# Altium PCB BreakOutBoard_Cyclone.PcbDoc (part 6 of 6)
Units mm, origin at the board's own origin, x right, y up, seen from the top; angles counter-clockwise.
Board outline 360 x 235.6 mm, 2 copper layers (Top Layer, Bottom Layer); 147 components, 204 nets, 2829 pads, 66 vias.
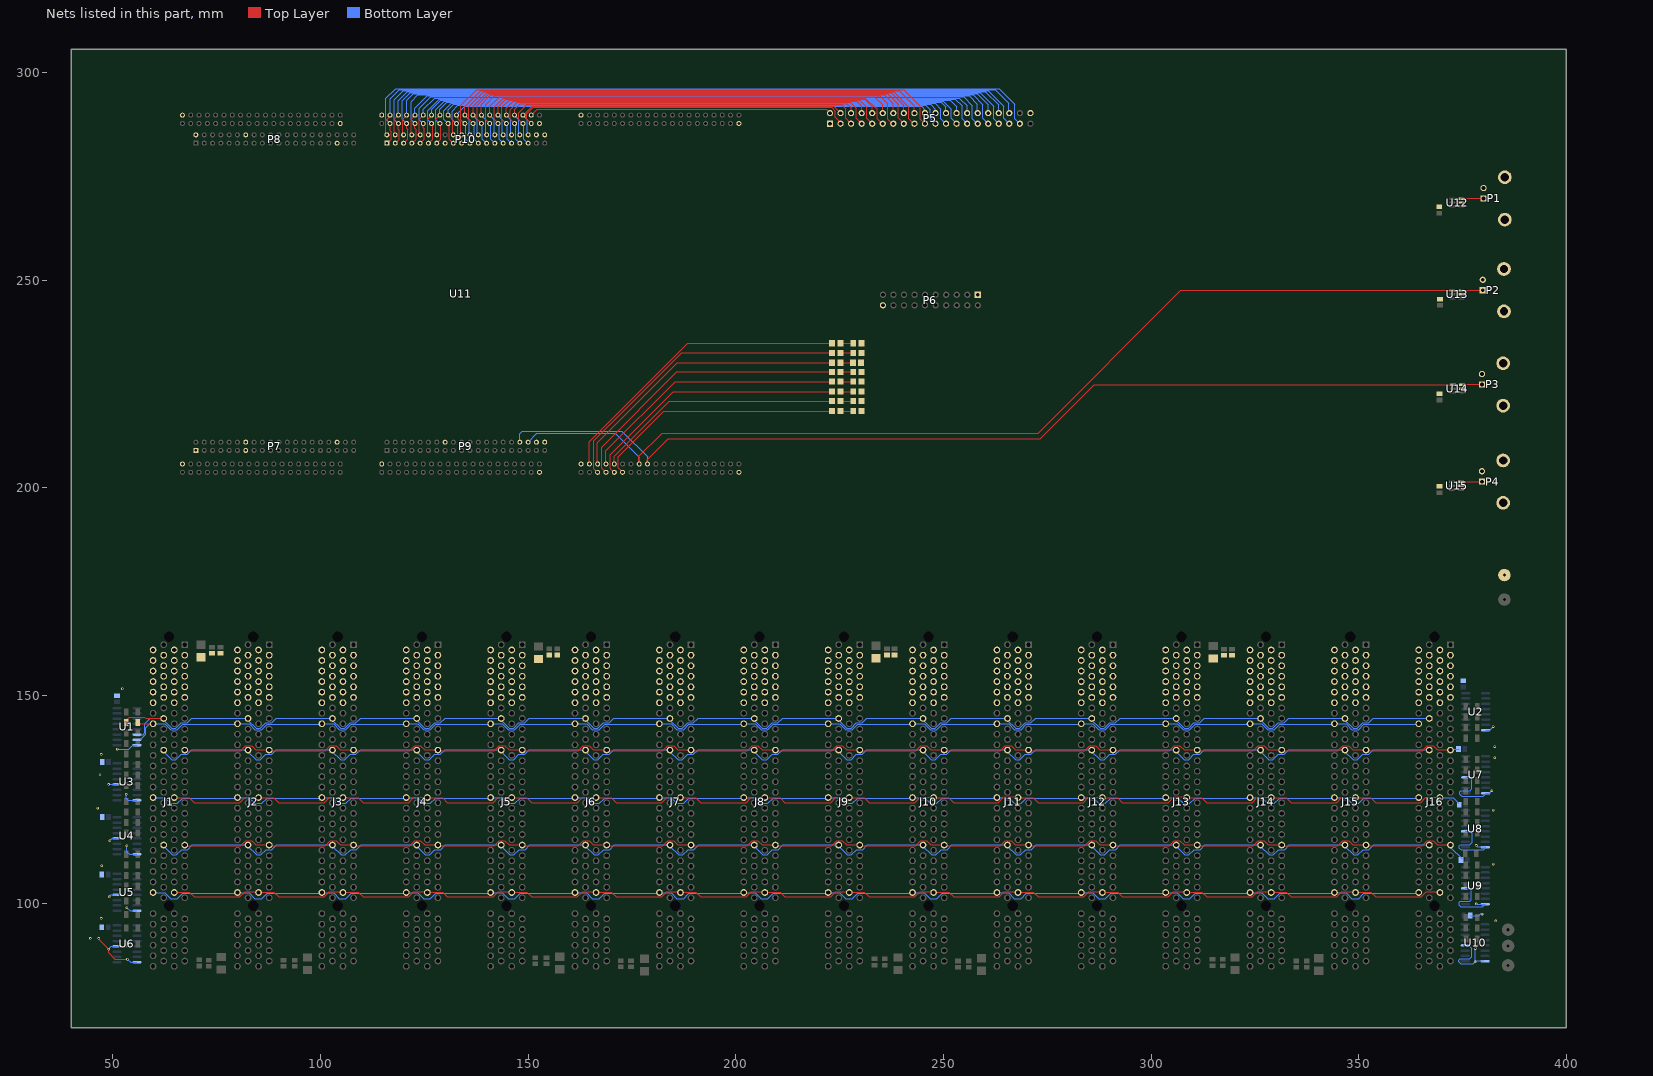
[diagram p6: the nets of this part, all layers, seen from the top]

## Via types
v1: diameter 0.6, hole 0.3, Top Layer to Bottom Layer, 50 vias
v2: diameter 5.5, hole 4.5, Top Layer to Bottom Layer, 15 vias
v3: diameter 1, hole 0.5, Top Layer to Bottom Layer, 1 vias

## Nets (pads, with @x,y where several pads share a name; then routed paths per layer and width w, separated by ;. In a path a pad name is that pad's centre, name@x,y a point inside that pad or via, vN(x,y) a via of type N, cw(c..) or ccw(c..) an arc to the next point about the centre after c; other vN are vias at no path point) (continued)
BUS39_N: J1.75 J2.75 J3.75 J4.75 J5.75 J6.75 J7.75 J8.75 J9.75 J10.75 J11.75 J12.75 J13.75 J14.75 J15.75 J16.75 R40.1 U1.6 | length 355.7
  Top Layer w0.127: R40.1@53.2,144.1 53.9,144.8 57.6,144.8 57.937,144.463 J1.75@62.23,144.463
  Bottom Layer w0.127: U1.6@56.7,140.6 57.3,140.6 57.7,141 57.7,143.2 58.963,144.463 J1.75@62.23,144.463 ; J1.75@62.1,144.5 62.1,144.2 64.2,142.1 65.2,142.1 66.5,143.4 67.9,143.4 69.023,144.522 J2.75@82.45,144.522 ; J2.75@82.42,144.5 82.42,144.2 84.52,142.1 85.52,142.1 86.82,143.4 88.22,143.4 89.343,144.522 J3.75@102.77,144.522 ; J3.75@102.74,144.5 102.74,144.2 104.84,142.1 105.84,142.1 107.14,143.4 108.54,143.4 109.663,144.522 J4.75@123.09,144.522 ; J4.75@123.06,144.5 123.06,144.2 125.16,142.1 126.16,142.1 127.46,143.4 128.86,143.4 129.983,144.522 J5.75@143.41,144.522 ; J5.75@143.38,144.5 143.38,144.2 145.48,142.1 146.48,142.1 147.78,143.4 149.18,143.4 150.303,144.522 J6.75@163.73,144.522 ; J6.75@163.7,144.5 163.7,144.2 165.8,142.1 166.8,142.1 168.1,143.4 169.5,143.4 170.623,144.522 J7.75@184.05,144.522 ; J7.75@184.02,144.5 184.02,144.2 186.12,142.1 187.12,142.1 188.42,143.4 189.82,143.4 190.943,144.522 J8.75@204.37,144.522 ; J8.75@204.34,144.5 204.34,144.2 206.44,142.1 207.44,142.1 208.74,143.4 210.14,143.4 211.263,144.522 J9.75@224.69,144.522 ; J9.75@224.66,144.5 224.66,144.2 226.76,142.1 227.76,142.1 229.06,143.4 230.46,143.4 231.583,144.522 J10.75@245.01,144.522 ; J10.75@244.98,144.5 244.98,144.2 247.08,142.1 248.08,142.1 249.38,143.4 250.78,143.4 251.903,144.522 J11.75@265.33,144.522 ; J11.75@265.3,144.5 265.3,144.2 267.4,142.1 268.4,142.1 269.7,143.4 271.1,143.4 272.223,144.522 J12.75@285.65,144.522 ; J12.75@285.62,144.5 285.62,144.2 287.72,142.1 288.72,142.1 290.02,143.4 291.42,143.4 292.543,144.522 J13.75@305.97,144.522 ; J13.75@305.94,144.5 305.94,144.2 308.04,142.1 309.04,142.1 310.34,143.4 311.74,143.4 312.863,144.522 J14.75@326.29,144.522 ; J14.75@326.26,144.5 326.26,144.2 328.36,142.1 329.36,142.1 330.66,143.4 332.06,143.4 333.183,144.522 J15.75@346.61,144.522 ; J15.75@346.58,144.5 346.58,144.2 348.68,142.1 349.68,142.1 350.98,143.4 352.38,143.4 353.503,144.522 J16.75@366.93,144.522
BUS39_P: J1.76 J2.76 J3.76 J4.76 J5.76 J6.76 J7.76 J8.76 J9.76 J10.76 J11.76 J12.76 J13.76 J14.76 J15.76 J16.76 R40.2 U1.7 | length 331.7
  Top Layer w0.127: R40.2@56.1,143.5 56.407,143.192 J1.76@59.69,143.192
  Bottom Layer w0.127: U1.7@56.6,139.3 57.954,140.654 57.954,142.254 58.893,143.192 J1.76@59.69,143.192 ; J1.76@59.6,143.2 62.5,143.2 63.9,141.8 65.5,141.8 66.8,143.1 79.758,143.1 J2.76@79.91,143.252 ; J2.76@79.92,143.2 82.82,143.2 84.22,141.8 85.82,141.8 87.12,143.1 100.078,143.1 J3.76@100.23,143.252 ; J3.76@100.24,143.2 103.14,143.2 104.54,141.8 106.14,141.8 107.44,143.1 120.398,143.1 J4.76@120.55,143.252 ; J4.76@120.56,143.2 123.46,143.2 124.86,141.8 126.46,141.8 127.76,143.1 140.718,143.1 J5.76@140.87,143.252 ; J5.76@140.88,143.2 143.78,143.2 145.18,141.8 146.78,141.8 148.08,143.1 161.038,143.1 J6.76@161.19,143.252 ; J6.76@161.2,143.2 164.1,143.2 165.5,141.8 167.1,141.8 168.4,143.1 181.358,143.1 J7.76@181.51,143.252 ; J7.76@181.52,143.2 184.42,143.2 185.82,141.8 187.42,141.8 188.72,143.1 201.678,143.1 J8.76@201.83,143.252 ; J8.76@201.84,143.2 204.74,143.2 206.14,141.8 207.74,141.8 209.04,143.1 221.998,143.1 J9.76@222.15,143.252 ; J9.76@222.16,143.2 225.06,143.2 226.46,141.8 228.06,141.8 229.36,143.1 242.318,143.1 J10.76@242.47,143.252 ; J10.76@242.48,143.2 245.38,143.2 246.78,141.8 248.38,141.8 249.68,143.1 262.638,143.1 J11.76@262.79,143.252 ; J11.76@262.8,143.2 265.7,143.2 267.1,141.8 268.7,141.8 270,143.1 282.958,143.1 J12.76@283.11,143.252 ; J12.76@283.12,143.2 286.02,143.2 287.42,141.8 289.02,141.8 290.32,143.1 303.278,143.1 J13.76@303.43,143.252 ; J13.76@303.44,143.2 306.34,143.2 307.74,141.8 309.34,141.8 310.64,143.1 323.598,143.1 J14.76@323.75,143.252 ; J14.76@323.76,143.2 326.66,143.2 328.06,141.8 329.66,141.8 330.96,143.1 343.918,143.1 J15.76@344.07,143.252 ; J15.76@344.08,143.2 346.98,143.2 348.38,141.8 349.98,141.8 351.28,143.1 364.238,143.1 J16.76@364.39,143.252
DGND: C1.2 C2.2 C3.2 C4.2 C5.2 C6.2 C7.1 C8.1 C9.1 C10.1 C11.1 C12.1 C13.1 C14.1 C39.2 C40.2 C41.2 C42.2 C43.2 C44.2 C45.2 C46.2 C47.1 C48.1 C49.1 C50.1 J1.2 J1.3 J1.4 J1.5 J1.6 J1.7 J1.8 J1.9 J1.10 J1.11 J1.12 J1.21 J1.30 J1.39 J1.48 J1.62 J1.63 J1.64 J1.65 J1.66 J1.67 J1.68 J1.69 J1.70 J1.71 J1.72 J1.81 J1.90 J1.99 J1.108 J2.2 J2.3 J2.4 J2.5 J2.6 J2.7 J2.8 J2.9 J2.10 J2.11 J2.12 J2.21 J2.30 J2.39 J2.48 J2.62 J2.63 J2.64 J2.65 J2.66 J2.67 J2.68 J2.69 J2.70 J2.71 J2.72 J2.81 J2.90 J2.99 J2.108 J3.2 J3.3 J3.4 J3.5 J3.6 J3.7 J3.8 J3.9 J3.10 J3.11 J3.12 J3.21 J3.30 J3.39 J3.48 J3.62 J3.63 J3.64 J3.65 J3.66 J3.67 J3.68 J3.69 J3.70 J3.71 J3.72 J3.81 J3.90 J3.99 J3.108 J4.2 J4.3 J4.4 J4.5 J4.6 J4.7 J4.8 J4.9 J4.10 J4.11 J4.12 J4.21 J4.30 J4.39 J4.48 J4.62 J4.63 J4.64 J4.65 J4.66 J4.67 J4.68 J4.69 J4.70 J4.71 J4.72 J4.81 J4.90 J4.99 J4.108 J5.2 J5.3 J5.4 J5.5 J5.6 J5.7 J5.8 J5.9 J5.10 J5.11 J5.12 J5.21 J5.30 J5.39 J5.48 J5.62 J5.63 J5.64 J5.65 J5.66 J5.67 J5.68 J5.69 J5.70 J5.71 J5.72 J5.81 J5.90 J5.99 J5.108 J6.2 J6.3 J6.4 J6.5 J6.6 J6.7 J6.8 J6.9 J6.10 J6.11 J6.12 J6.21 J6.30 J6.39 J6.48 J6.62 J6.63 J6.64 J6.65 J6.66 J6.67 J6.68 J6.69 J6.70 J6.71 J6.72 J6.81 J6.90 J6.99 J6.108 J7.2 J7.3 J7.4 J7.5 J7.6 J7.7 J7.8 J7.9 J7.10 J7.11 J7.12 J7.21 J7.30 J7.39 J7.48 J7.62 J7.63 J7.64 J7.65 J7.66 J7.67 J7.68 J7.69 J7.70 J7.71 J7.72 J7.81 J7.90 J7.99 J7.108 J8.2 J8.3 J8.4 J8.5 J8.6 J8.7 J8.8 J8.9 J8.10 J8.11 J8.12 J8.21 J8.30 J8.39 J8.48 J8.62 J8.63 J8.64 J8.65 J8.66 J8.67 J8.68 J8.69 J8.70 J8.71 J8.72 J8.81 J8.90 J8.99 J8.108 J9.2 J9.3 J9.4 J9.5 J9.6 J9.7 J9.8 J9.9 J9.10 J9.11 J9.12 J9.21 J9.30 J9.39 J9.48 J9.62 J9.63 J9.64 J9.65 J9.66 J9.67 J9.68 J9.69 J9.70 J9.71 J9.72 J9.81 J9.90 J9.99 J9.108 J10.2 J10.3 J10.4 J10.5 J10.6 J10.7 J10.8 J10.9 J10.10 J10.11 J10.12 J10.21 J10.30 J10.39 J10.48 J10.62 J10.63 J10.64 J10.65 J10.66 J10.67 J10.68 J10.69 J10.70 J10.71 J10.72 J10.81 J10.90 J10.99 J10.108 J11.2 J11.3 J11.4 J11.5 J11.6 J11.7 J11.8 J11.9 J11.10 J11.11 J11.12 J11.21 J11.30 J11.39 J11.48 J11.62 J11.63 J11.64 J11.65 J11.66 J11.67 J11.68 J11.69 J11.70 J11.71 J11.72 J11.81 J11.90 J11.99 J11.108 J12.2 J12.3 J12.4 J12.5 J12.6 J12.7 J12.8 J12.9 J12.10 J12.11 J12.12 J12.21 J12.30 J12.39 J12.48 J12.62 J12.63 J12.64 J12.65 J12.66 J12.67 J12.68 J12.69 J12.70 J12.71 J12.72 J12.81 J12.90 J12.99 J12.108 J13.2 J13.3 J13.4 J13.5 J13.6 J13.7 J13.8 J13.9 J13.10 J13.11 J13.12 J13.21 J13.30 J13.39 J13.48 J13.62 J13.63 J13.64 J13.65 J13.66 J13.67 J13.68 J13.69 J13.70 J13.71 J13.72 J13.81 J13.90 J13.99 J13.108 J14.2 J14.3 J14.4 J14.5 J14.6 J14.7 J14.8 J14.9 J14.10 J14.11 J14.12 J14.21 J14.30 J14.39 J14.48 J14.62 J14.63 J14.64 J14.65 J14.66 J14.67 J14.68 J14.69 J14.70 J14.71 J14.72 J14.81 J14.90 J14.99 J14.108 J15.2 J15.3 J15.4 J15.5 J15.6 J15.7 J15.8 J15.9 J15.10 J15.11 J15.12 J15.21 J15.30 J15.39 J15.48 J15.62 J15.63 J15.64 J15.65 J15.66 J15.67 J15.68 J15.69 J15.70 J15.71 J15.72 J15.81 J15.90 J15.99 J15.108 J16.2 J16.3 J16.4 J16.5 J16.6 J16.7 J16.8 J16.9 J16.10 J16.11 J16.12 J16.21 J16.30 J16.39 J16.48 J16.62 J16.63 J16.64 J16.65 J16.66 J16.67 J16.68 J16.69 J16.70 J16.71 J16.72 J16.81 J16.90 J16.99 J16.108 P1.2 P2.2 P3.2 P4.2 P5.1 P5.40 P6.1 P6.20 P7.1 P7.13 P7.14 P7.36 P8.2 P8.14 P8.35 P9.16 P9.38 P9.40 P10.15 P10.38 P10.40 pad.0@385.1,179 R41.1 R42.1 R43.1 R44.1 R45.1 R46.1 R47.1 R48.1 U1.8 U2.8 U3.8 U3.12 U4.8 U4.12 U5.8 U5.12 U6.8 U6.12 U7.8 U7.12 U8.8 U8.12 U9.8 U9.12 U10.8 U10.12 U11.1A2 U11.1B2 U11.1B39 U11.1C2 U11.1C39 U11.2A2 U11.2A39 U11.2B2 U11.2B39 U11.2C2 U11.2C39 U12.2 U13.2 U14.2 U15.2 | length 2719.6
  Top Layer w0.127: J1.48@64.77,102.672 68.428,102.672 69.6,101.5 80.6,101.5 81.83,102.73 J2.48@85.032,102.73 ; J1.30@64.77,125.373 68.428,125.373 69.6,124.2 80.6,124.2 81.854,125.454 85.008,125.454 J2.30@85.032,125.43 ; J1.21@67.31,136.902 67.506,136.706 80.835,136.706 82.032,137.903 83.436,137.903 84.437,136.902 87.63,136.902 87.826,136.706 101.155,136.706 102.352,137.903 103.756,137.903 104.757,136.902 107.95,136.902 108.146,136.706 121.475,136.706 122.672,137.903 124.076,137.903 125.077,136.902 128.27,136.902 128.466,136.706 141.795,136.706 142.992,137.903 144.396,137.903 145.397,136.902 148.59,136.902 148.786,136.706 162.115,136.706 163.312,137.903 164.716,137.903 165.717,136.902 168.91,136.902 169.106,136.706 182.435,136.706 183.632,137.903 185.036,137.903 186.037,136.902 189.23,136.902 189.426,136.706 202.755,136.706 203.952,137.903 205.356,137.903 206.357,136.902 209.55,136.902 209.746,136.706 223.075,136.706 224.272,137.903 225.676,137.903 226.677,136.902 229.87,136.902 230.066,136.706 243.395,136.706 244.592,137.903 245.996,137.903 246.997,136.902 250.19,136.902 250.386,136.706 263.715,136.706 264.912,137.903 266.316,137.903 267.317,136.902 270.51,136.902 270.706,136.706 284.035,136.706 285.232,137.903 286.636,137.903 287.637,136.902 290.83,136.902 291.026,136.706 304.355,136.706 305.552,137.903 306.956,137.903 307.957,136.902 311.15,136.902 311.346,136.706 324.675,136.706 325.872,137.903 327.276,137.903 328.277,136.902 331.47,136.902 331.666,136.706 344.995,136.706 346.192,137.903 347.596,137.903 348.597,136.902 351.79,136.902 351.986,136.706 365.315,136.706 366.512,137.903 367.916,137.903 368.917,136.902 J16.21@372.11,136.902 ; J1.11@67.31,149.503 J1.11@67.506,149.306 ; J1.39@67.506,113.806 80.835,113.806 82.032,115.003 83.436,115.003 84.437,114.002 J2.39@87.63,114.002 ; J2.48@85.09,102.672 88.748,102.672 89.92,101.5 100.92,101.5 102.15,102.73 J3.48@105.352,102.73 ; J2.30@85.09,125.373 88.748,125.373 89.92,124.2 100.92,124.2 102.174,125.454 105.328,125.454 J3.30@105.352,125.43 ; J2.11@87.63,149.503 J2.11@87.826,149.306 ; J2.39@87.826,113.806 101.155,113.806 102.352,115.003 103.756,115.003 104.757,114.002 J3.39@107.95,114.002 ; J3.48@105.41,102.672 109.068,102.672 110.24,101.5 121.24,101.5 122.47,102.73 J4.48@125.672,102.73 ; J3.30@105.41,125.373 109.068,125.373 110.24,124.2 121.24,124.2 122.494,125.454 125.648,125.454 J4.30@125.672,125.43 ; J3.39@108.146,113.806 121.475,113.806 122.672,115.003 124.076,115.003 125.077,114.002 J4.39@128.27,114.002 ; J4.48@125.73,102.672 129.388,102.672 130.56,101.5 141.56,101.5 142.79,102.73 J5.48@145.992,102.73 ; J4.30@125.73,125.373 129.388,125.373 130.56,124.2 141.56,124.2 142.814,125.454 145.968,125.454 J5.30@145.992,125.43 ; J4.39@128.466,113.806 141.795,113.806 142.992,115.003 144.396,115.003 145.397,114.002 J5.39@148.59,114.002 ; J5.48@146.05,102.672 149.708,102.672 150.88,101.5 161.88,101.5 163.11,102.73 J6.48@166.312,102.73 ; J5.30@146.05,125.373 149.708,125.373 150.88,124.2 161.88,124.2 163.134,125.454 166.288,125.454 J6.30@166.312,125.43 ; J5.39@148.786,113.806 162.115,113.806 163.312,115.003 164.716,115.003 165.717,114.002 J6.39@168.91,114.002 ; J6.48@166.37,102.672 170.028,102.672 171.2,101.5 182.2,101.5 183.43,102.73 J7.48@186.632,102.73 ; J6.30@166.37,125.373 170.028,125.373 171.2,124.2 182.2,124.2 183.454,125.454 186.608,125.454 J7.30@186.632,125.43 ; J6.39@169.106,113.806 182.435,113.806 183.632,115.003 185.036,115.003 186.037,114.002 J7.39@189.23,114.002 ; J7.48@186.69,102.672 190.348,102.672 191.52,101.5 202.52,101.5 203.75,102.73 J8.48@206.952,102.73 ; J7.30@186.69,125.373 190.348,125.373 191.52,124.2 202.52,124.2 203.774,125.454 206.928,125.454 J8.30@206.952,125.43 ; J7.39@189.426,113.806 202.755,113.806 203.952,115.003 205.356,115.003 206.357,114.002 J8.39@209.55,114.002 ; J8.48@207.01,102.672 210.668,102.672 211.84,101.5 222.84,101.5 224.07,102.73 J9.48@227.272,102.73 ; J8.30@207.01,125.373 210.668,125.373 211.84,124.2 222.84,124.2 224.094,125.454 227.248,125.454 J9.30@227.272,125.43 ; J8.39@209.746,113.806 223.075,113.806 224.272,115.003 225.676,115.003 226.677,114.002 J9.39@229.87,114.002 ; J9.48@227.33,102.672 230.988,102.672 232.16,101.5 243.16,101.5 244.39,102.73 J10.48@247.592,102.73 ; J9.30@227.33,125.373 230.988,125.373 232.16,124.2 243.16,124.2 244.414,125.454 247.568,125.454 J10.30@247.592,125.43 ; J9.39@230.066,113.806 243.395,113.806 244.592,115.003 245.996,115.003 246.997,114.002 J10.39@250.19,114.002 ; J10.48@247.65,102.672 251.308,102.672 252.48,101.5 263.48,101.5 264.71,102.73 J11.48@267.912,102.73 ; J10.30@247.65,125.373 251.308,125.373 252.48,124.2 263.241,124.2 264.595,125.554 267.788,125.554 J11.30@267.912,125.43 ; J10.39@250.386,113.806 263.715,113.806 264.912,115.003 266.316,115.003 267.317,114.002 J11.39@270.51,114.002 ; J11.48@267.97,102.672 271.628,102.672 272.8,101.5 283.8,101.5 285.03,102.73 J12.48@288.232,102.73 ; J11.30@267.97,125.373 271.628,125.373 272.8,124.2 283.641,124.2 284.895,125.454 288.208,125.454 J12.30@288.232,125.43 ; J11.39@270.706,113.806 284.035,113.806 285.232,115.003 286.636,115.003 287.637,114.002 J12.39@290.83,114.002 ; J12.48@288.29,102.672 291.948,102.672 293.12,101.5 304.12,101.5 305.35,102.73 J13.48@308.552,102.73 ; J12.30@288.29,125.373 291.948,125.373 293.12,124.2 304.12,124.2 305.474,125.554 308.428,125.554 J13.30@308.552,125.43 ; J12.39@291.026,113.806 304.355,113.806 305.552,115.003 306.956,115.003 307.957,114.002 J13.39@311.15,114.002 ; J13.48@308.61,102.672 312.268,102.672 313.44,101.5 324.44,101.5 325.67,102.73 J14.48@328.872,102.73 ; J13.30@308.61,125.373 312.268,125.373 313.44,124.2 324.341,124.2 325.595,125.454 328.848,125.454 J14.30@328.872,125.43 ; J13.39@311.346,113.806 324.675,113.806 325.872,115.003 327.276,115.003 328.277,114.002 J14.39@331.47,114.002 ; J14.48@328.93,102.672 332.588,102.672 333.76,101.5 344.76,101.5 345.99,102.73 J15.48@349.192,102.73 ; J14.30@328.93,125.373 332.588,125.373 333.76,124.2 344.741,124.2 345.995,125.454 349.168,125.454 J15.30@349.192,125.43 ; J14.39@331.666,113.806 344.995,113.806 346.192,115.003 347.596,115.003 348.597,114.002 J15.39@351.79,114.002 ; J15.48@349.25,102.672 352.908,102.672 354.08,101.5 365.08,101.5 366.31,102.73 J16.48@369.512,102.73 ; J15.30@349.25,125.373 352.908,125.373 354.08,124.2 364.941,124.2 366.195,125.454 369.488,125.454 J16.30@369.512,125.43 ; J15.39@351.986,113.806 365.315,113.806 366.512,115.003 367.916,115.003 368.917,114.002 J16.39@372.11,114.002 ; v1(378.06,89.06) 378.8,89.8 378.8,90.2
  Top Layer w0.3: v1@46.6,91.3 v1(49,88.9) 49,88 50.5,86.5 v1(53.5,86.5)
  Bottom Layer w0.127: v1(48.965,128.565) U3.12@51,128.565 ; v1(49,88.9) 49.665,89.565 U6.12@51,89.565 ; v1(49.1,101.5) 49,101.5 49.465,101.965 U5.12@51,101.965 ; v1(49.3,115) 49.865,115.565 U4.12@51,115.565 ; v1@51.2,137.2 51.3,137.1 53.8,137.1 54.755,138.055 U1.8@55.8,138.055 ; v1(53.2,126.2) 53.2,125.3 53.745,124.755 U3.8@55.8,124.755 ; v1(53.4,98.9) 54.145,98.155 U5.8@55.8,98.155 ; v1(53.4,113.8) 53.4,112.4 54.045,111.755 U4.8@55.8,111.755 ; v1(53.5,86.5) 54.245,85.755 U6.8@55.8,85.755 ; J1.108@59.6,102.5 62.5,102.5 63.9,101.1 65.5,101.1 66.8,102.4 79.758,102.4 J2.108@79.91,102.552 ; J1.90@59.6,125.4 62.5,125.4 63.9,124 65.5,124 66.8,125.3 79.758,125.3 J2.90@79.91,125.452 ; J1.81@62.1,136.9 62.1,136.6 64.2,134.5 65.2,134.5 66.5,135.8 67.9,135.8 69.023,136.922 J2.81@82.45,136.922 ; J1.71@62.1,149.2 J1.71@62.1,149.5 ; J1.69@62.1,151.8 J1.69@62.1,152.1 ; J1.67@62.1,154.3 J1.67@62.1,154.6 ; J1.65@62.1,156.9 J1.65@62.1,157.2 ; J1.99@62.2,114 62.2,113.7 64.3,111.6 65.3,111.6 66.6,112.9 68,112.9 69.123,114.022 J2.99@82.55,114.022 ; J2.72@79.758,148.1 J2.72@79.91,148.253 ; J2.108@79.92,102.5 82.82,102.5 84.22,101.1 85.82,101.1 87.12,102.4 100.078,102.4 J3.108@100.23,102.552 ; J2.90@79.92,125.4 82.82,125.4 84.22,124 85.82,124 87.12,125.3 100.078,125.3 J3.90@100.23,125.452 ; J2.81@82.42,136.9 82.42,136.6 84.52,134.5 85.52,134.5 86.82,135.8 88.22,135.8 89.343,136.922 J3.81@102.77,136.922 ; J2.71@82.42,149.2 J2.71@82.42,149.5 ; J2.99@82.52,114 82.52,113.7 84.62,111.6 85.62,111.6 86.92,112.9 88.32,112.9 89.443,114.022 J3.99@102.87,114.022 ; J3.72@100.078,148.1 J3.72@100.23,148.253 ; J3.108@100.24,102.5 103.14,102.5 104.54,101.1 106.14,101.1 107.44,102.4 120.398,102.4 J4.108@120.55,102.552 ; J3.90@100.24,125.4 103.14,125.4 104.54,124 106.14,124 107.44,125.3 120.398,125.3 J4.90@120.55,125.452 ; J3.81@102.74,136.9 102.74,136.6 104.84,134.5 105.84,134.5 107.14,135.8 108.54,135.8 109.663,136.922 J4.81@123.09,136.922 ; J3.99@102.84,114 102.84,113.7 104.94,111.6 105.94,111.6 107.24,112.9 108.64,112.9 109.763,114.022 J4.99@123.19,114.022 ; J4.108@120.56,102.5 123.46,102.5 124.86,101.1 126.46,101.1 127.76,102.4 140.718,102.4 J5.108@140.87,102.552 ; J4.90@120.56,125.4 123.46,125.4 124.86,124 126.46,124 127.76,125.3 140.718,125.3 J5.90@140.87,125.452 ; J4.81@123.06,136.9 123.06,136.6 125.16,134.5 126.16,134.5 127.46,135.8 128.86,135.8 129.983,136.922 J5.81@143.41,136.922 ; J4.99@123.16,114 123.16,113.7 125.26,111.6 126.26,111.6 127.56,112.9 128.96,112.9 130.083,114.022 J5.99@143.51,114.022 ; J5.66@140.718,155.8 J5.66@140.87,155.952 ; J5.108@140.88,102.5 143.78,102.5 145.18,101.1 146.78,101.1 148.08,102.4 161.038,102.4 J6.108@161.19,102.552 ; J5.90@140.88,125.4 143.78,125.4 145.18,124 146.78,124 148.08,125.3 161.038,125.3 J6.90@161.19,125.452 ; J5.81@143.38,136.9 143.38,136.6 145.48,134.5 146.48,134.5 147.78,135.8 149.18,135.8 150.303,136.922 J6.81@163.73,136.922 ; J5.99@143.48,114 143.48,113.7 145.58,111.6 146.58,111.6 147.88,112.9 149.28,112.9 150.403,114.022 J6.99@163.83,114.022 ; J6.66@161.038,155.8 J6.66@161.19,155.952 ; J6.108@161.2,102.5 164.1,102.5 165.5,101.1 167.1,101.1 168.4,102.4 181.358,102.4 J7.108@181.51,102.552 ; J6.90@161.2,125.4 164.1,125.4 165.5,124 167.1,124 168.4,125.3 181.358,125.3 J7.90@181.51,125.452 ; J6.81@163.7,136.9 163.7,136.6 165.8,134.5 166.8,134.5 168.1,135.8 169.5,135.8 170.623,136.922 J7.81@184.05,136.922 ; J6.99@163.8,114 163.8,113.7 165.9,111.6 166.9,111.6 168.2,112.9 169.6,112.9 170.723,114.022 J7.99@184.15,114.022 ; J7.66@181.358,155.8 J7.66@181.51,155.952 ; J7.108@181.52,102.5 184.42,102.5 185.82,101.1 187.42,101.1 188.72,102.4 201.678,102.4 J8.108@201.83,102.552 ; J7.90@181.52,125.4 184.42,125.4 185.82,124 187.42,124 188.72,125.3 201.678,125.3 J8.90@201.83,125.452 ; J7.81@184.02,136.9 184.02,136.6 186.12,134.5 187.12,134.5 188.42,135.8 189.82,135.8 190.943,136.922 J8.81@204.37,136.922 ; J7.99@184.12,114 184.12,113.7 186.22,111.6 187.22,111.6 188.52,112.9 189.92,112.9 191.043,114.022 J8.99@204.47,114.022 ; J8.66@201.678,155.8 J8.66@201.83,155.952 ; J8.108@201.84,102.5 204.74,102.5 206.14,101.1 207.74,101.1 209.04,102.4 221.998,102.4 J9.108@222.15,102.552 ; J8.90@201.84,125.4 204.74,125.4 206.14,124 207.74,124 209.04,125.3 221.998,125.3 J9.90@222.15,125.452 ; J8.81@204.34,136.9 204.34,136.6 206.44,134.5 207.44,134.5 208.74,135.8 210.14,135.8 211.263,136.922 J9.81@224.69,136.922 ; J8.99@204.44,114 204.44,113.7 206.54,111.6 207.54,111.6 208.84,112.9 210.24,112.9 211.363,114.022 J9.99@224.79,114.022 ; J9.66@221.998,155.8 J9.66@222.15,155.952 ; J9.108@222.16,102.5 225.06,102.5 226.46,101.1 228.06,101.1 229.36,102.4 242.318,102.4 J10.108@242.47,102.552 ; J9.90@222.16,125.4 225.06,125.4 226.46,124 228.06,124 229.36,125.3 242.318,125.3 J10.90@242.47,125.452 ; J9.81@224.66,136.9 224.66,136.6 226.76,134.5 227.76,134.5 229.06,135.8 230.46,135.8 231.583,136.922 J10.81@245.01,136.922 ; J9.99@224.76,114 224.76,113.7 226.86,111.6 227.86,111.6 229.16,112.9 230.56,112.9 231.683,114.022 J10.99@245.11,114.022 ; J10.108@242.48,102.5 245.38,102.5 246.78,101.1 248.38,101.1 249.68,102.4 262.638,102.4 J11.108@262.79,102.552 ; J10.90@242.48,125.4 245.38,125.4 246.78,124 248.38,124 249.68,125.3 262.638,125.3 J11.90@262.79,125.452 ; J10.81@244.98,136.9 244.98,136.6 247.08,134.5 248.08,134.5 249.38,135.8 250.78,135.8 251.903,136.922 J11.81@265.33,136.922 ; J10.99@245.08,114 245.08,113.7 247.18,111.6 248.18,111.6 249.48,112.9 250.88,112.9 252.003,114.022 J11.99@265.43,114.022 ; J11.108@262.8,102.5 265.7,102.5 267.1,101.1 268.7,101.1 270,102.4 282.958,102.4 J12.108@283.11,102.552 ; J11.90@262.8,125.4 265.7,125.4 267.1,124 268.7,124 270,125.3 282.958,125.3 J12.90@283.11,125.452 ; J11.81@265.3,136.9 265.3,136.6 267.4,134.5 268.4,134.5 269.7,135.8 271.1,135.8 272.223,136.922 J12.81@285.65,136.922 ; J11.99@265.4,114 265.4,113.7 267.5,111.6 268.5,111.6 269.8,112.9 271.2,112.9 272.323,114.022 J12.99@285.75,114.022 ; J12.108@283.12,102.5 286.02,102.5 287.42,101.1 289.02,101.1 290.32,102.4 303.278,102.4 J13.108@303.43,102.552 ; J12.90@283.12,125.4 286.02,125.4 287.42,124 289.02,124 290.32,125.3 303.278,125.3 J13.90@303.43,125.452 ; J12.81@285.62,136.9 285.62,136.6 287.72,134.5 288.72,134.5 290.02,135.8 291.42,135.8 292.543,136.922 J13.81@305.97,136.922 ; J12.99@285.72,114 285.72,113.7 287.82,111.6 288.82,111.6 290.12,112.9 291.52,112.9 292.643,114.022 J13.99@306.07,114.022 ; J13.108@303.44,102.5 306.34,102.5 307.74,101.1 309.34,101.1 310.64,102.4 323.598,102.4 J14.108@323.75,102.552 ; J13.90@303.44,125.4 306.34,125.4 307.74,124 309.34,124 310.64,125.3 323.598,125.3 J14.90@323.75,125.452 ; J13.81@305.94,136.9 305.94,136.6 308.04,134.5 309.04,134.5 310.34,135.8 311.74,135.8 312.863,136.922 J14.81@326.29,136.922 ; J13.99@306.04,114 306.04,113.7 308.14,111.6 309.14,111.6 310.44,112.9 311.84,112.9 312.963,114.022 J14.99@326.39,114.022 ; J14.108@323.76,102.5 326.66,102.5 328.06,101.1 329.66,101.1 330.96,102.4 343.918,102.4 J15.108@344.07,102.552 ; J14.90@323.76,125.4 326.66,125.4 328.06,124 329.66,124 330.96,125.3 343.918,125.3 J15.90@344.07,125.452 ; J14.81@326.26,136.9 326.26,136.6 328.36,134.5 329.36,134.5 330.66,135.8 332.06,135.8 333.183,136.922 J15.81@346.61,136.922 ; J14.99@326.36,114 326.36,113.7 328.46,111.6 329.46,111.6 330.76,112.9 332.16,112.9 333.283,114.022 J15.99@346.71,114.022 ; J15.108@344.08,102.5 346.98,102.5 348.38,101.1 349.98,101.1 351.28,102.4 364.238,102.4 J16.108@364.39,102.552 ; J15.90@344.08,125.4 346.98,125.4 348.38,124 349.98,124 351.28,125.3 364.238,125.3 J16.90@364.39,125.452 ; J15.81@346.58,136.9 346.58,136.6 348.68,134.5 349.68,134.5 350.98,135.8 352.38,135.8 353.503,136.922 J16.81@366.93,136.922 ; J15.99@346.68,114 346.68,113.7 348.78,111.6 349.78,111.6 351.08,112.9 352.48,112.9 353.603,114.022 J16.99@367.03,114.022 ; J16.30@369.57,125.412 372.788,125.412 C44.2@374.1,124.1 ; J16.39@372.11,113.983 372.11,113.49 C45.2@374.9,110.7 ; J16.21@372.2,136.8 372.5,137.1 C43.2@374.25,137.1 ; U10.12@375.67,89.805 376.485,89.805 377.19,89.1 377.19,87.03 376.76,86.6 374.5,86.6 374.14,86.24 374.14,85.844 374.614,85.37 377.58,85.37 v1(378.04,85.83) ; U9.12@375.7,103.565 376.865,103.565 377.14,103.29 377.14,100.78 376.78,100.42 374.52,100.42 374.28,100.18 374.28,99.45 374.64,99.09 379.9,99.09 U9.8@380.5,99.69 ; U8.12@375.7,117.265 376.835,117.265 377.4,116.7 377.4,114.7 376.8,114.1 374.554,114.1 374.254,113.8 374.254,113.246 374.7,112.8 380.1,112.8 U8.8@380.7,113.4 ; U7.12@375.8,130.265 376.735,130.265 377.3,129.7 377.3,127.5 376.9,127.1 374.6,127.1 374.3,126.8 374.3,126.259 374.805,125.754 380.054,125.754 U7.8@380.7,126.4 ; C46.2@376.85,96.99 378.96,96.99 379.47,97.5 v1@379.52,97.5 ; v1(378.06,89.06) 378.04,89.06 v1(378.04,85.83) ; v1(378.3,113.9) 378.6,113.6 380.355,113.6 U8.8@380.5,113.455 ; v1(378.36,99.79) 378.395,99.755 U9.8@380.5,99.755 ; U10.8@380.3,86.07 378.28,86.07 v1(378.04,85.83) ; U7.8@380.6,126.455 381.455,126.455 v1(382.1,127.1) ; U2.8@380.6,141.655 381.555,141.655 v1(382.4,142.5)
  other v1: 44.6,91.5 46.6,91.5 383,95.7 47.2,96.3 379.74,97.35 47.3,109 382.4,109.4 382.4,122.4 46.3,122.9 46.9,130.9 382.8,135 47.2,135.8 51.1,137.1 382.8,137.7 52.3,151.6
LED_0: D1.1 U11.1C4 | length 73.6
  Top Layer w0.127: U11.1C4@164.7,205.8 164.7,211.1 188.4,234.8 D1.1@223.2,234.8
LED_1: D3.1 U11.1C5 | length 74.2
  Top Layer w0.127: U11.1C5@166.7,203.7 165.8,204.6 165.8,211.3 187,232.5 D3.1@223.2,232.5
LED_2: D5.1 U11.1C6 | length 69.6
  Top Layer w0.127: U11.1C6@166.7,205.8 166.7,210.9 185.9,230.1 D5.1@223.2,230.1
LED_3: D7.1 U11.1C7 | length 69.5
  Top Layer w0.127: U11.1C7@168.7,203.7 167.7,204.7 167.7,209.8 185.8,227.9 D7.1@223.2,227.9
LED_4: D2.1 U11.1C8 | length 64.5
  Top Layer w0.127: U11.1C8@168.7,205.8 168.7,208.9 185.4,225.6 D2.1@223.2,225.6
LED_5: D4.1 U11.1C9 | length 64.4
  Top Layer w0.127: U11.1C9@170.7,203.7 169.8,204.6 169.8,208 185,223.2 D4.1@223.2,223.2
LED_6: D6.1 U11.1C10 | length 59.9
  Top Layer w0.127: U11.1C10@170.7,205.7 170.7,207.6 184,220.9 D6.1@223.2,220.9
LED_7: D8.1 U11.1C11 | length 60.3
  Top Layer w0.127: U11.1C11@172.8,203.7 U11.1C11@172.75,203.75 171.7,204.8 171.7,207.5 182.7,218.5 D8.1@223.2,218.5
NetD1_2: D1.2 R41.2 | length 2.9
  Top Layer w0.127: D1.2@225.4,234.8 R41.2@228.3,234.8
NetD2_2: D2.2 R42.2 | length 2.9
  Top Layer w0.127: D2.2@225.4,225.6 R42.2@228.3,225.6
NetD3_2: D3.2 R43.2 | length 3.1
  Top Layer w0.127: D3.2@225.2,232.5 R43.2@228.3,232.5
NetD4_2: D4.2 R44.2 | length 3.1
  Top Layer w0.127: D4.2@225.2,223.2 R44.2@228.3,223.2
NetD5_2: D5.2 R45.2 | length 2.9
  Top Layer w0.127: D5.2@225.3,230.1 R45.2@228.2,230.1
NetD6_2: D6.2 R46.2 | length 3
  Top Layer w0.127: D6.2@225.3,220.9 R46.2@228.3,220.9
NetD7_2: D7.2 R47.2 | length 3
  Top Layer w0.127: D7.2@225.3,227.9 R47.2@228.3,227.9
NetD8_2: D8.2 R48.2 | length 3.1
  Top Layer w0.127: D8.2@225.2,218.5 R48.2@228.3,218.5
NetP1_1: P1.1 U12.3 | length 5.4
  Top Layer w0.3: U12.3@374.7,269.7 P1.1@380.1,269.7
NetP2_1: P2.1 U13.3 | length 5
  Top Layer w0.3: U13.3@374.9,247.6 P2.1@379.9,247.6
NetP3_1: P3.1 U14.3 | length 4.6
  Top Layer w0.3: U14.3@375.1,224.9 P3.1@379.7,224.9
NetP4_1: P4.1 U15.3 | length 4.9
  Top Layer w0.3: U15.3@374.8,201.5 P4.1@379.7,201.5
PMT_IN: P9.36 U11.1C16 U13.4 | length 246
  Top Layer w0.3: U11.1C16@176.7,205.7 176.7,207.6 182.3,213.2 272.8,213.2 307.15,247.55 U13.4@372.625,247.55
  Bottom Layer w0.127: P9.36@150,211 152.1,213.1 171,213.1 176.75,207.35 U11.1C16@176.75,205.75
TRIGGER_IN: P9.34 U11.1C18 U14.4 | length 239.8
  Top Layer w0.3: U11.1C18@178.7,205.7 178.7,206.8 183.7,211.8 273.3,211.8 286.35,224.85 U14.4@372.725,224.85
  Bottom Layer w0.127: P9.34@148,211 148,213 148.6,213.6 172.6,213.6 178.75,207.45 U11.1C18@178.75,205.75
TTL_OUT_0: P5.2 U11.2B3 | length 73
  Top Layer w0.127: U11.2B3@150.7,289.7 152.14,291.14 221.8,291.14 P5.2@222.7,290.24
TTL_OUT_1: P5.3 U11.2B4 | length 81.7
  Top Layer w0.127: U11.2B4@150.8,287.7 149.7,288.8 149.7,290.1 151.2,291.6 223.1,291.6 224,290.7 224,289.2 225.24,287.96 P5.3@225.24,287.7
TTL_OUT_2: P5.4 P10.36 U11.2B5 | length 83.2
  Top Layer w0.127: U11.2B5@148.8,289.7 151,291.9 223.6,291.9 225.24,290.26 P5.4@225.24,290.24
  Bottom Layer w0.127: U11.2B5@148.75,289.75 149.8,288.7 P10.36@149.8,285
TTL_OUT_3: P5.5 P10.35 U11.2B6 | length 92.3
  Top Layer w0.127: U11.2B6@148.7,287.7 147.7,288.7 147.7,290.3 149.7,292.3 225.5,292.3 226.5,291.3 226.5,288.98 P5.5@227.78,287.7
  Bottom Layer w0.127: U11.2B6@149,287.7 149,284 P10.35@150,283
TTL_OUT_4: P5.6 P10.34 U11.2B7 | length 90
  Top Layer w0.127: U11.2B7@146.75,289.75 146.75,291.15 148.154,292.554 226.746,292.554 227.8,291.5 P5.6@227.8,290.2
  Bottom Layer w0.127: U11.2B7@146.75,289.75 147.8,288.7 P10.34@147.8,285
TTL_OUT_5: P5.7 P10.33 U11.2B8 | length 97.8
  Top Layer w0.127: U11.2B8@146.8,287.7 145.7,288.8 145.7,291.1 147.408,292.808 227.592,292.808 229.02,291.38 229.02,289 P5.7@230.32,287.7
  Bottom Layer w0.127: U11.2B8@147,287.7 147,284 P10.33@148,283
TTL_OUT_6: P5.8 P10.32 U11.2B9 | length 95.4
  Top Layer w0.127: U11.2B9@144.75,289.75 144.75,291.45 146.4,293.1 229.1,293.1 230.3,291.9 P5.8@230.3,290.1
  Bottom Layer w0.127: U11.2B9@144.75,289.75 145.8,288.7 P10.32@145.8,285
TTL_OUT_7: P5.9 P10.31 U11.2B10 | length 103.3
  Top Layer w0.127: U11.2B10@144.8,287.7 143.7,288.8 143.7,291.6 145.454,293.354 229.846,293.354 231.5,291.7 231.5,289.06 P5.9@232.86,287.7
  Bottom Layer w0.127: U11.2B10@145,287.8 145,284 P10.31@146,283
TTL_OUT_8: P5.10 P10.30 U11.2B11 | length 100.5
  Top Layer w0.127: U11.2B11@142.75,289.75 142.75,291.75 144.608,293.608 231.092,293.608 232.9,291.8 P5.10@232.9,290.2
  Bottom Layer w0.127: U11.2B11@142.75,289.75 143.8,288.7 P10.30@143.8,285
TTL_OUT_9: P5.11 P10.29 U11.2B12 | length 108
  Top Layer w0.127: U11.2B12@142.8,287.8 141.8,288.8 141.8,291.7 143.962,293.862 231.197,293.862 233.559,291.5 234.1,291.5 234.1,288.9 235.3,287.7 P5.11@235.4,287.7
  Bottom Layer w0.127: U11.2B12@143,287.7 143,284 P10.29@144,283
TTL_OUT_10: P5.12 P10.28 U11.2B13 | length 105.6
  Top Layer w0.127: U11.2B13@140.75,289.75 140.75,291.85 143.016,294.116 233.484,294.116 235.4,292.2 P5.12@235.4,290.3
  Bottom Layer w0.127: U11.2B13@140.75,289.75 141.8,288.7 P10.28@141.8,285
TTL_OUT_11: P5.13 P10.27 U11.2B14 | length 113.9
  Top Layer w0.127: U11.2B14@140.7,287.8 139.8,288.7 139.8,292.3 141.87,294.37 234.73,294.37 236.6,292.5 236.6,288.8 237.7,287.7 P5.13@237.94,287.7
  Bottom Layer w0.127: U11.2B14@141,287.7 141,284 P10.27@142,283
TTL_OUT_12: P5.14 P10.26 U11.2B15 | length 111.2
  Top Layer w0.127: U11.2B15@138.7,289.6 138.7,292.3 141.024,294.624 235.776,294.624 237.94,292.46 P5.14@237.94,290.24
  Bottom Layer w0.127: U11.2B15@138.75,289.75 139.8,288.7 P10.26@139.8,285
TTL_OUT_13: P5.15 P10.25 U11.2B16 | length 118.7
  Top Layer w0.127: U11.2B16@138.75,287.75 137.7,288.8 137.7,292.1 140.478,294.878 236.622,294.878 239.1,292.4 239.1,289.1 P5.15@240.5,287.7
  Bottom Layer w0.127: U11.2B16@139,287.6 139,284 P10.25@140,283
TTL_OUT_14: P5.16 P10.24 U11.2B17 | length 115.7
  Top Layer w0.127: U11.2B17@136.8,289.6 136.8,291.9 140.032,295.132 237.468,295.132 240.48,292.12 P5.16@240.48,290.24
  Bottom Layer w0.127: U11.2B17@136.75,289.75 137.8,288.7 P10.24@137.8,284.9
TTL_OUT_15: P5.17 P10.23 U11.2B18 | length 123.2
  Top Layer w0.127: U11.2B18@136.75,287.75 135.7,288.8 135.7,291.8 139.286,295.386 238.014,295.386 241.7,291.7 241.7,288.9 P5.17@243,287.6
  Bottom Layer w0.127: U11.2B18@137,287.7 137,284 P10.23@138,283
TTL_OUT_16: P5.18 P10.22 U11.2B19 | length 120.6
  Top Layer w0.127: U11.2B19@134.7,289.7 134.7,291.8 138.54,295.64 239.36,295.64 243.02,291.98 P5.18@243.02,290.24
  Bottom Layer w0.127: U11.2B19@134.75,289.75 135.8,288.7 P10.22@135.8,284.9
TTL_OUT_17: P5.19 P10.21 U11.2B20 | length 128.5
  Top Layer w0.127: U11.2B20@134.75,287.75 133.8,288.7 133.8,292.1 137.594,295.894 240.406,295.894 244.4,291.9 244.4,288.8 P5.19@245.5,287.7
  Bottom Layer w0.127: U11.2B20@134.8,287.8 135,287.6 135,284 P10.21@136,283
TTL_OUT_18: P5.20 P10.20 U11.2B21 | length 120.3
  Top Layer w0.127: U11.2B21@132.75,289.75 133.2,289.3 133.2,288.8 133.8,288.2 P10.20@133.8,284.9
  Bottom Layer w0.127: U11.2B21@132.6,289.7 134.74,291.84 244.76,291.84 245.56,291.04 P5.20@245.56,290.24
TTL_OUT_19: P5.21 P10.19 U11.2B22 | length 128.7
  Top Layer w0.127: U11.2B22@132.75,287.75 133,287.5 133,284 P10.19@134,283
  Bottom Layer w0.127: U11.2B22@132.7,287.7 131.7,288.7 131.7,290.7 133.1,292.1 245.7,292.1 246.8,291 246.8,289 P5.21@248.1,287.7
TTL_OUT_20: P5.22 P10.18 U11.2B23 | length 125.9
  Top Layer w0.127: U11.2B23@130.75,289.75 131.8,288.7 P10.18@131.8,284.9
  Bottom Layer w0.127: U11.2B23@130.75,289.75 130.75,291.05 132.054,292.354 246.946,292.354 248.1,291.2 P5.22@248.1,290.3
TTL_OUT_21: P5.23 P10.17 U11.2B24 | length 133.9
  Top Layer w0.127: U11.2B24@130.75,287.75 130.75,287.25 131,287 131,284 P10.17@132,283
  Bottom Layer w0.127: U11.2B24@130.8,287.7 129.7,288.8 129.7,290.8 131.508,292.608 247.992,292.608 249.4,291.2 249.4,288.94 P5.23@250.64,287.7
TTL_OUT_22: P5.24 P10.14 U11.2B25 | length 131.3
  Top Layer w0.127: P10.14@127.8,284.8 127.8,288.8 U11.2B25@128.75,289.75
  Bottom Layer w0.127: U11.2B25@128.75,289.75 128.75,291.15 130.462,292.862 249.538,292.862 250.6,291.8 P5.24@250.6,290.2
TTL_OUT_23: P5.25 P10.13 U11.2B26 | length 138.8
  Top Layer w0.127: P10.13@128,283 129,284 129,287.5 U11.2B26@128.75,287.75
  Bottom Layer w0.127: U11.2B26@128.6,287.7 127.8,288.5 127.8,291.1 129.816,293.116 249.984,293.116 251.9,291.2 251.9,288.98 P5.25@253.18,287.7
TTL_OUT_24: P5.26 P10.12 U11.2B27 | length 136.2
  Top Layer w0.127: P10.12@125.8,285 125.8,288.8 U11.2B27@126.75,289.75
  Bottom Layer w0.127: U11.2B27@126.75,289.75 126.75,291.15 128.97,293.37 251.63,293.37 253.2,291.8 P5.26@253.2,290.2
TTL_OUT_25: P5.27 P10.11 U11.2B28 | length 144.1
  Top Layer w0.127: P10.11@126,283 127,284 127,287.5 U11.2B28@126.75,287.75
  Bottom Layer w0.127: U11.2B28@126.8,287.7 125.8,288.7 125.8,290.8 128.624,293.624 252.876,293.624 254.5,292 254.5,288.92 P5.27@255.72,287.7
TTL_OUT_26: P5.28 P10.10 U11.2B29 | length 141.3
  Top Layer w0.127: P10.10@123.8,284.8 123.8,288.8 U11.2B29@124.75,289.75
  Bottom Layer w0.127: U11.2B29@124.75,289.75 124.75,291.15 127.478,293.878 253.822,293.878 255.7,292 P5.28@255.7,290.3
TTL_OUT_27: P5.29 P10.9 U11.2B30 | length 149.5
  Top Layer w0.127: P10.9@124,283 125,284 125,286.5 124.75,286.75 U11.2B30@124.75,287.75
  Bottom Layer w0.127: U11.2B30@124.8,287.7 123.8,288.7 123.8,291.4 126.532,294.132 254.868,294.132 257,292 257,288.9 258.2,287.7 P5.29@258.26,287.7
TTL_OUT_28: P5.30 P10.8 U11.2B31 | length 146.4
  Top Layer w0.127: P10.8@121.8,285.1 121.8,288.8 U11.2B31@122.75,289.75
  Bottom Layer w0.127: U11.2B31@122.75,289.75 122.75,291.45 125.686,294.386 256.214,294.386 258.2,292.4 P5.30@258.2,290.2
TTL_OUT_29: P5.31 P10.7 U11.2B32 | length 155.4
  Top Layer w0.127: P10.7@122,283 123,284 123,286.4 122.75,286.65 U11.2B32@122.75,287.75
  Bottom Layer w0.127: U11.2B32@122.7,287.7 121.8,288.6 121.8,293 123.44,294.64 257.16,294.64 259.5,292.3 259.5,289 P5.31@260.8,287.7
TTL_OUT_30: P5.32 P10.6 U11.2B33 | length 152.6
  Top Layer w0.127: P10.6@119.8,284.9 119.8,288.8 U11.2B33@120.75,289.75
  Bottom Layer w0.127: U11.2B33@120.75,289.75 120.75,293.35 122.294,294.894 258.106,294.894 260.8,292.2 P5.32@260.8,290.24 P5.32@260.8,290.2
TTL_OUT_31: P5.33 P10.5 U11.2B34 | length 160.5
  Top Layer w0.127: P10.5@120,283 121,284 121,286.4 120.75,286.65 U11.2B34@120.75,287.75
  Bottom Layer w0.127: U11.2B34@120.8,287.7 119.7,288.8 119.7,293.2 121.648,295.148 258.852,295.148 262.1,291.9 262.1,288.94 P5.33@263.34,287.7
TTL_OUT_32: P5.34 P10.4 U11.2B35 | length 157.2
  Top Layer w0.127: P10.4@117.8,285.1 117.8,288.8 U11.2B35@118.75,289.75
  Bottom Layer w0.127: U11.2B35@118.75,289.75 118.75,293.25 120.902,295.402 260.098,295.402 263.3,292.2 P5.34@263.3,290.3
TTL_OUT_33: P5.35 P10.3 U11.2B36 | length 165.4
  Top Layer w0.127: P10.3@118,283 119,284 119,286.1 118.75,286.35 U11.2B36@118.75,287.75
  Bottom Layer w0.127: U11.2B36@118.7,287.7 117.8,288.6 117.8,293.5 119.956,295.656 260.844,295.656 264.58,291.92 264.58,289 P5.35@265.88,287.7
TTL_OUT_34: P5.36 P10.2 U11.2B37 | length 163
  Top Layer w0.127: P10.2@116,285 115.7,285.3 115.7,288.4 116.75,289.45 U11.2B37@116.75,289.75
  Bottom Layer w0.127: U11.2B37@116.75,289.75 116.75,293.65 119.01,295.91 262.49,295.91 265.8,292.6 P5.36@265.8,290.2
TTL_OUT_35: P5.37 P10.1 U11.2B38 | length 171.1
  Top Layer w0.127: P10.1@116,283 117,284 117,285.7 116.75,285.95 U11.2B38@116.75,287.75
  Bottom Layer w0.127: U11.2B38@116.8,287.7 115.7,288.8 115.7,293.8 118.064,296.164 263.436,296.164 267.2,292.4 267.2,288.92 P5.37@268.42,287.7
pads on no net: J1.121 J1.122 J2.121 J2.122 J3.121 J3.122 J4.121 J4.122 J5.121 J5.122 J6.121 J6.122 J7.121 J7.122 J8.121 J8.122 J9.121 J9.122 J10.121 J10.122 J11.121 J11.122 J12.121 J12.122 J13.121 J13.122 J14.121 J14.122 J15.121 J15.122 J16.121 J16.122 P5.38 P5.39 P7.3 P7.5 P7.7 P7.8 P7.9 P7.10 P7.12 P7.21 P7.22 P7.23 P7.24 P7.35 P7.37 P7.38 P7.39 P7.40 P8.1 P8.3 P8.4 P8.5 P8.6 P8.7 P8.8 P8.9 P8.10 P8.11 P8.12 P8.13 P8.15 P8.16 P8.17 P8.18 P8.36 P8.39 P8.40 P9.15 P9.27 P9.28 P9.29 P9.30 P9.31 P9.33 P9.35 P9.37 P9.39 P10.16 P10.37 P10.39 U11.1A3 U11.1A4 U11.1A5 U11.1A6 U11.1A7 U11.1A8 U11.1A9 U11.1A10 U11.1A12 U11.1A13 U11.1A14 U11.1A15 U11.1A16 U11.1A17 U11.1A18 U11.1A19 U11.1A21 U11.1A22 U11.1A24 U11.1A25 U11.1A26 U11.1A27 U11.1A36 U11.1A38 U11.1A39 U11.1A40 U11.1B1 U11.1B32 U11.1B33 U11.1B34 U11.1B35 U11.1B36 U11.1B37 U11.1B38 U11.1B40 U11.1C3 U11.1C12 U11.1C13 U11.1C14 U11.1C15 U11.1C17 U11.1C19 U11.1C21 U11.1C22 U11.1C23 U11.1C24 U11.1C25 U11.1C26 U11.1C27 U11.1C28 U11.1C29 U11.1C30 U11.1C31 U11.1C32 U11.1C33 U11.1C34 U11.1C35 U11.1C36 U11.1C37 U11.1C38 U11.1C40 U11.2A1 U11.2A3 U11.2A4 U11.2A5 U11.2A6 U11.2A7 U11.2A8 U11.2A9 U11.2A10 U11.2A11 U11.2A12 U11.2A13 U11.2A14 U11.2A15 U11.2A16 U11.2A17 U11.2A18 U11.2A19 U11.2A20 U11.2A21 U11.2A22 U11.2A23 U11.2A24 U11.2A25 U11.2A26 U11.2A27 U11.2A28 U11.2A29 U11.2A30 U11.2A31 U11.2A32 U11.2A33 U11.2A34 U11.2A35 U11.2A36 U11.2A37 U11.2A38 U11.2A40 U11.2B1 U11.2B40 U11.2C1 U11.2C21 U11.2C22 U11.2C23 U11.2C24 U11.2C25 U11.2C26 U11.2C27 U11.2C28 U11.2C29 U11.2C30 U11.2C31 U11.2C32 U11.2C33 U11.2C34 U11.2C35 U11.2C36 U11.2C37 U11.2C38 U11.2C40
copper on no net:
  other v1: 375.3,156.7
  other v2: 50,76 105,76 160,76 215,76 270,76 325,76 380,76 105,175 160,175 215,175 270,175 325,175 50,300 215,300 380,300

## Polygon pours and split planes (outlines as drawn)
8V_BUS on Top Layer "Top_8V" (solid, pour order 1001): 384,87.7 388,87.7 388,80.8 58,80.8 58,84.94 58.2,84.664 384,84.664
DGND on Top Layer "top_ground" (solid, remove dead copper, pour order 1002): 388,90 388,301.6 42.8,301.6 42.8,90
DGND on Bottom Layer "bottom_ground" (solid, remove dead copper, pour order 1000): 388,90 388,301.6 42.8,301.6 42.8,90

## Keep-outs
Keep-Out Layer:
  lines w0.3: 41.58,72.4 389.48,72.4 389.48,304 41.58,304 41.58,72.4

## Silkscreen, mask and mechanical layers (free items; w line width, h text height)
Top Overlay:
  text "GND" at 388.3,177.7 h1 r90
  text "5V dig" at 388.2,170.3 h1 r90
  text "5V ana" at 386.2,96.1 h1 r90
  text "GND" at 388.9,88.4 h1 r90
  text "8V ana" at 381.8,81.9 h1
Drill Drawing:
  text ".LEGEND" at 398.78,162.56 h1.52
  text "Drill Drawing." at 398.78,160.02 h1.52

## Dimensions
41.58,72.4 to 389.48,72.4 on Mechanical 1
41.58,72.4 to 41.58,304 on Mechanical 1

## Text inside footprints (layer, text, board x,y; h text height)
J1: Top Overlay "61" at 56.265,163.493 h1.5 r270; Top Overlay "1" at 69.235,162.492 h1.5 r270; Top Overlay "60" at 69.235,86.023 h1.5 r270; Top Overlay "120" at 56.265,86.272 h1.5 r270
J2: Top Overlay "61" at 76.585,163.493 h1.5 r270; Top Overlay "1" at 89.555,162.492 h1.5 r270; Top Overlay "60" at 89.555,86.023 h1.5 r270; Top Overlay "120" at 76.585,86.272 h1.5 r270
J3: Top Overlay "61" at 96.905,163.493 h1.5 r270; Top Overlay "1" at 109.875,162.492 h1.5 r270; Top Overlay "60" at 109.875,86.023 h1.5 r270; Top Overlay "120" at 96.905,86.272 h1.5 r270
J4: Top Overlay "61" at 117.225,163.493 h1.5 r270; Top Overlay "1" at 130.195,162.492 h1.5 r270; Top Overlay "60" at 130.195,86.023 h1.5 r270; Top Overlay "120" at 117.225,86.272 h1.5 r270
J5: Top Overlay "61" at 137.545,163.493 h1.5 r270; Top Overlay "1" at 150.515,162.492 h1.5 r270; Top Overlay "60" at 150.515,86.023 h1.5 r270; Top Overlay "120" at 137.545,86.272 h1.5 r270
J6: Top Overlay "61" at 157.865,163.493 h1.5 r270; Top Overlay "1" at 170.835,162.492 h1.5 r270; Top Overlay "60" at 170.835,86.023 h1.5 r270; Top Overlay "120" at 157.865,86.272 h1.5 r270
J7: Top Overlay "61" at 178.185,163.493 h1.5 r270; Top Overlay "1" at 191.155,162.492 h1.5 r270; Top Overlay "60" at 191.155,86.023 h1.5 r270; Top Overlay "120" at 178.185,86.272 h1.5 r270
J8: Top Overlay "61" at 198.505,163.493 h1.5 r270; Top Overlay "1" at 211.475,162.492 h1.5 r270; Top Overlay "60" at 211.475,86.023 h1.5 r270; Top Overlay "120" at 198.505,86.272 h1.5 r270
J9: Top Overlay "61" at 218.825,163.493 h1.5 r270; Top Overlay "1" at 231.795,162.492 h1.5 r270; Top Overlay "60" at 231.795,86.023 h1.5 r270; Top Overlay "120" at 218.825,86.272 h1.5 r270
J10: Top Overlay "61" at 239.145,163.493 h1.5 r270; Top Overlay "1" at 252.115,162.492 h1.5 r270; Top Overlay "60" at 252.115,86.023 h1.5 r270; Top Overlay "120" at 239.145,86.272 h1.5 r270
J11: Top Overlay "61" at 259.465,163.493 h1.5 r270; Top Overlay "1" at 272.435,162.492 h1.5 r270; Top Overlay "60" at 272.435,86.023 h1.5 r270; Top Overlay "120" at 259.465,86.272 h1.5 r270
J12: Top Overlay "61" at 279.785,163.493 h1.5 r270; Top Overlay "1" at 292.755,162.492 h1.5 r270; Top Overlay "60" at 292.755,86.023 h1.5 r270; Top Overlay "120" at 279.785,86.272 h1.5 r270
J13: Top Overlay "61" at 300.105,163.493 h1.5 r270; Top Overlay "1" at 313.075,162.492 h1.5 r270; Top Overlay "60" at 313.075,86.023 h1.5 r270; Top Overlay "120" at 300.105,86.272 h1.5 r270
J14: Top Overlay "61" at 320.425,163.493 h1.5 r270; Top Overlay "1" at 333.395,162.492 h1.5 r270; Top Overlay "60" at 333.395,86.023 h1.5 r270; Top Overlay "120" at 320.425,86.272 h1.5 r270
J15: Top Overlay "61" at 340.745,163.493 h1.5 r270; Top Overlay "1" at 353.715,162.492 h1.5 r270; Top Overlay "60" at 353.715,86.023 h1.5 r270; Top Overlay "120" at 340.745,86.272 h1.5 r270
J16: Top Overlay "61" at 361.065,163.493 h1.5 r270; Top Overlay "1" at 374.035,162.492 h1.5 r270; Top Overlay "60" at 374.035,86.023 h1.5 r270; Top Overlay "120" at 361.065,86.272 h1.5 r270
P5: Top Overlay "39" at 272.992,287.192 h1.27; Top Overlay "40" at 272.992,289.732 h1.27; Top Overlay "2" at 220.16,289.732 h1.27; Top Overlay "1" at 220.16,287.192 h1.27
P6: Top Overlay "2" at 260.84,244.468 h1.27 r180; Top Overlay "1" at 260.84,247.008 h1.27 r180; Top Overlay "19" at 233.916,247.008 h1.27 r180; Top Overlay "20" at 233.916,244.468 h1.27 r180
U11: Top Overlay "Power-In" at 70.75,269.75 h1.52 r180